# KiCad board Engine.kicad_pcb (continued)
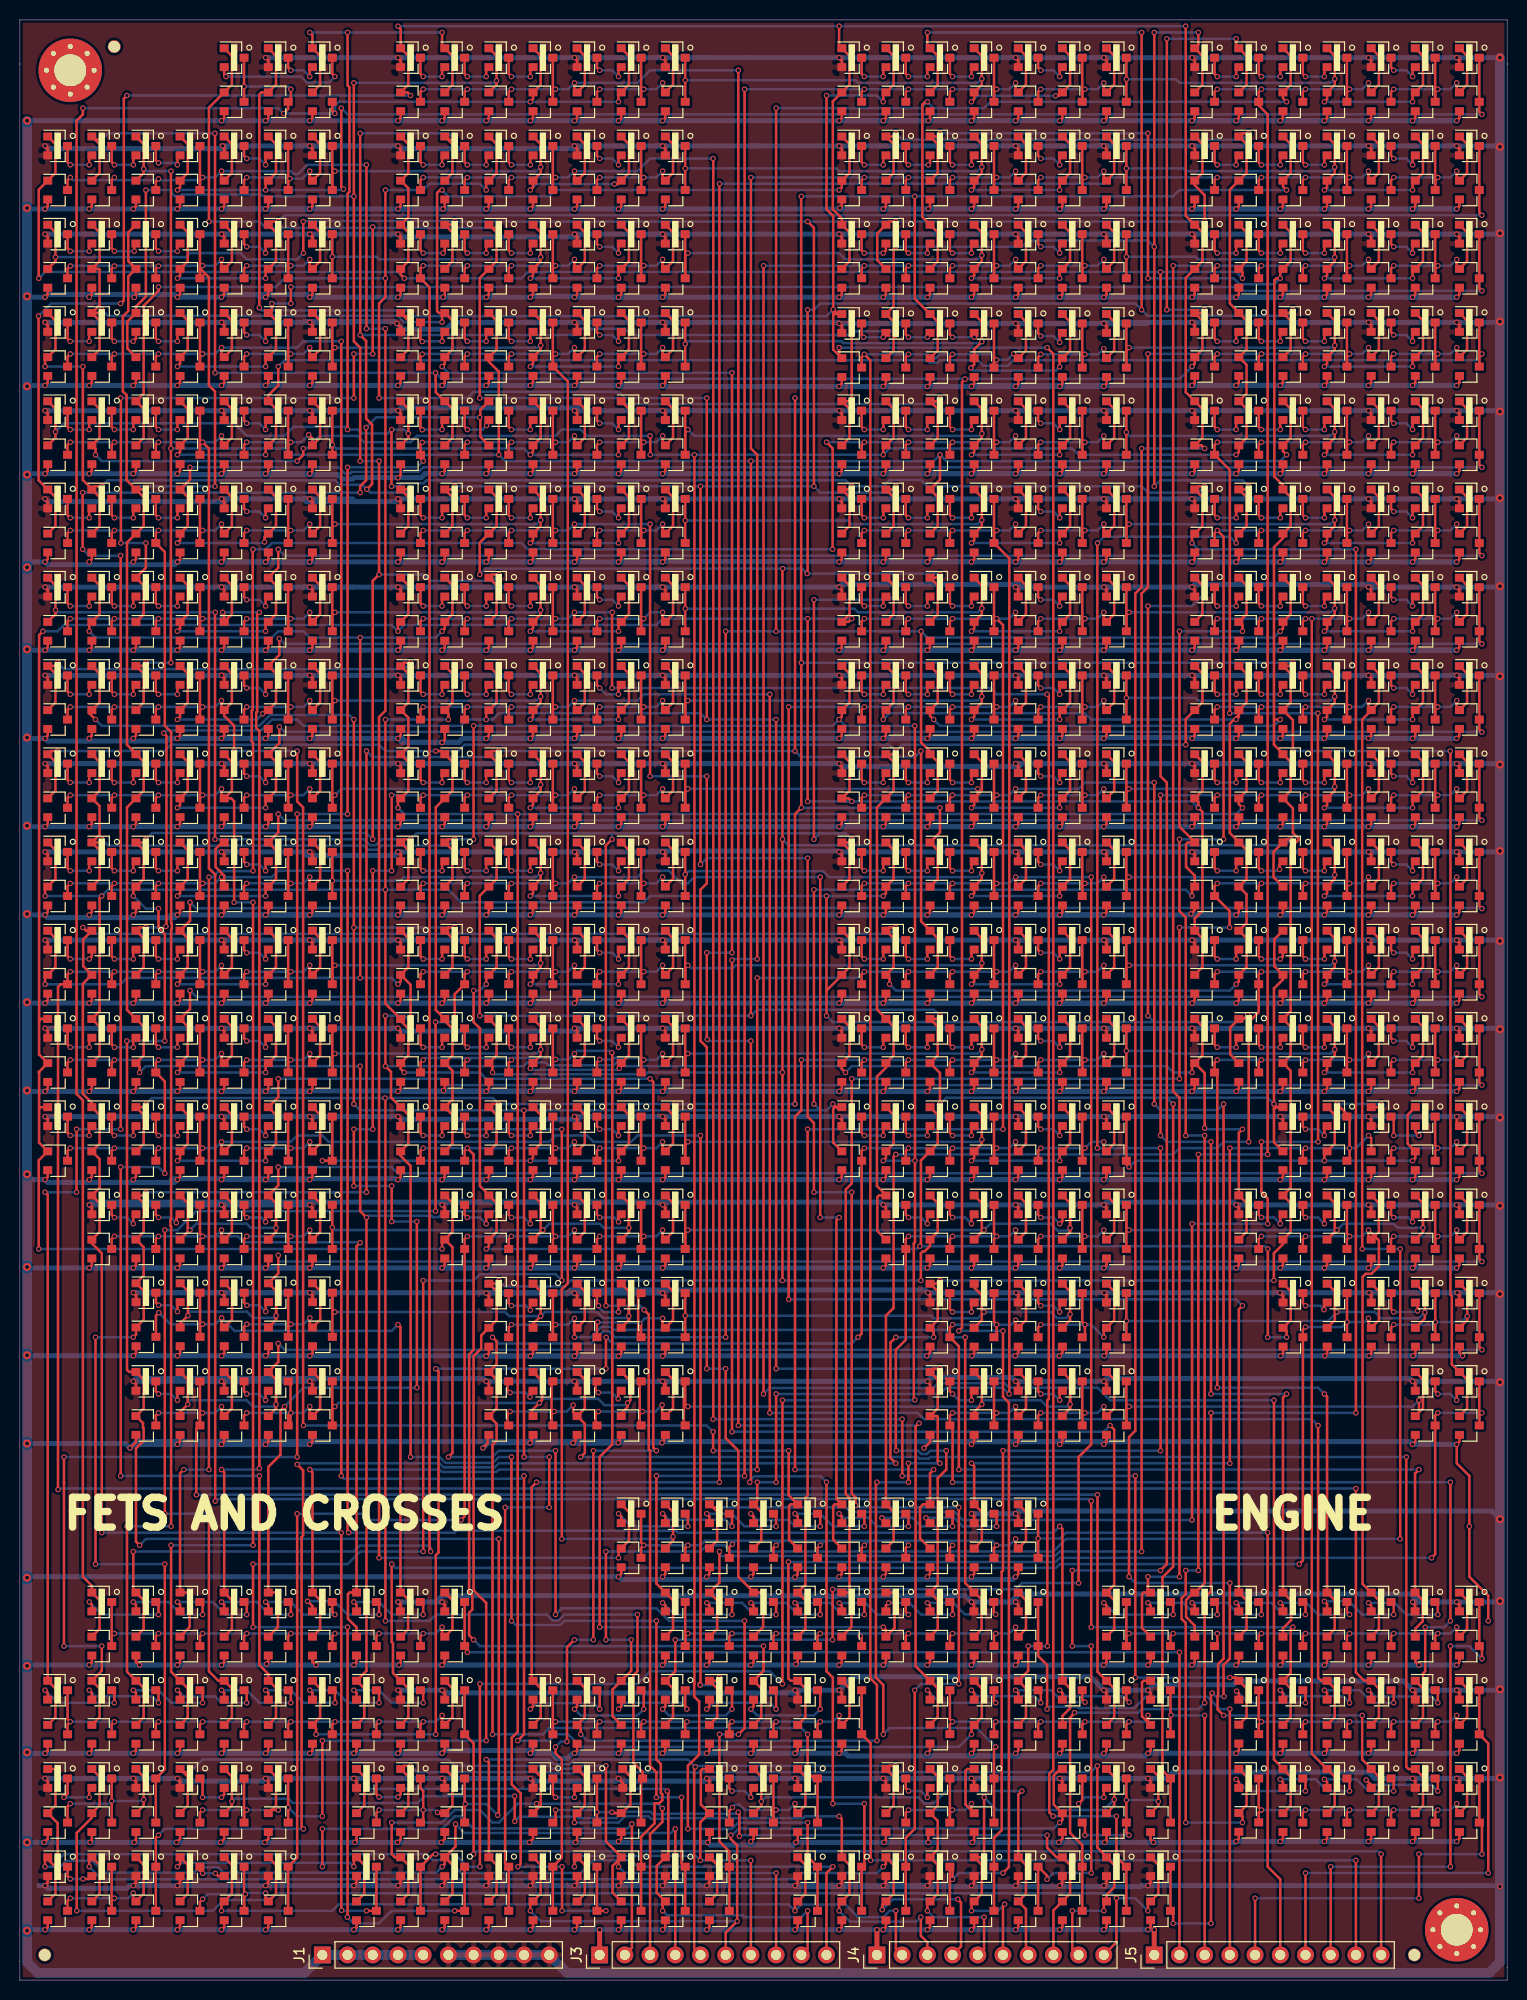
[diagram p0: board, top side]
## Placement (name value [footprint] x y rotation side) (continued)
Q415  BSS84  [SOT-23-P]  92.71 104.77 0 top
Q416  BSS84  [SOT-23-P]  97.16 104.77 0 top
Q417  2N7002  [SOT-23-N]  92.71 100.33 0 top
Q418  2N7002  [SOT-23-N]  97.16 100.33 0 top
Q419  BSS84  [SOT-23-P]  110.49 104.77 0 top
Q420  2N7002  [SOT-23-N]  110.49 100.33 0 top
Q421  2N7002  [SOT-23-N]  101.6 100.33 0 top
Q422  BSS84  [SOT-23-P]  101.6 104.77 0 top
Q423  BSS84  [SOT-23-P]  106.05 104.77 0 top
Q424  2N7002  [SOT-23-N]  106.05 100.33 0 top
Q425  2N7002  [SOT-23-N]  119.38 100.33 0 top
Q426  2N7002  [SOT-23-N]  123.83 100.33 0 top
Q427  BSS84  [SOT-23-P]  119.38 104.77 0 top
Q428  BSS84  [SOT-23-P]  123.83 104.77 0 top
Q429  BSS84  [SOT-23-P]  128.27 104.77 0 top
Q430  BSS84  [SOT-23-P]  132.72 104.77 0 top
Q431  2N7002  [SOT-23-N]  128.27 100.33 0 top
Q432  2N7002  [SOT-23-N]  132.72 100.33 0 top
Q433  BSS84  [SOT-23-P]  146.05 104.77 0 top
Q434  2N7002  [SOT-23-N]  146.05 100.33 0 top
Q435  2N7002  [SOT-23-N]  137.16 100.33 0 top
Q436  BSS84  [SOT-23-P]  137.16 104.77 0 top
Q437  BSS84  [SOT-23-P]  141.6 104.77 0 top
Q438  2N7002  [SOT-23-N]  141.6 100.33 0 top
Q439  2N7002  [SOT-23-N]  3.81 91.44 0 top
Q440  2N7002  [SOT-23-N]  8.26 91.44 0 top
Q441  BSS84  [SOT-23-P]  3.81 95.88 0 top
Q442  BSS84  [SOT-23-P]  8.26 95.88 0 top
Q443  BSS84  [SOT-23-P]  12.7 95.88 0 top
Q444  BSS84  [SOT-23-P]  17.14 95.88 0 top
Q445  2N7002  [SOT-23-N]  12.7 91.44 0 top
Q446  2N7002  [SOT-23-N]  17.14 91.44 0 top
Q447  BSS84  [SOT-23-P]  30.48 95.88 0 top
Q448  2N7002  [SOT-23-N]  30.48 91.44 0 top
Q449  2N7002  [SOT-23-N]  21.59 91.44 0 top
Q450  BSS84  [SOT-23-P]  21.59 95.88 0 top
Q451  BSS84  [SOT-23-P]  26.03 95.88 0 top
Q452  2N7002  [SOT-23-N]  26.03 91.44 0 top
Q453  2N7002  [SOT-23-N]  39.37 91.44 0 top
Q454  2N7002  [SOT-23-N]  43.81 91.44 0 top
Q455  BSS84  [SOT-23-P]  39.37 95.88 0 top
Q456  BSS84  [SOT-23-P]  43.81 95.88 0 top
Q457  BSS84  [SOT-23-P]  48.26 95.88 0 top
Q458  BSS84  [SOT-23-P]  52.7 95.88 0 top
Q459  2N7002  [SOT-23-N]  48.26 91.44 0 top
Q460  2N7002  [SOT-23-N]  52.7 91.44 0 top
Q461  BSS84  [SOT-23-P]  66.04 95.88 0 top
Q462  2N7002  [SOT-23-N]  66.04 91.44 0 top
Q463  2N7002  [SOT-23-N]  57.15 91.44 0 top
Q464  BSS84  [SOT-23-P]  57.15 95.88 0 top
Q465  BSS84  [SOT-23-P]  61.59 95.88 0 top
Q466  2N7002  [SOT-23-N]  61.59 91.44 0 top
Q467  2N7002  [SOT-23-N]  83.82 91.44 0 top
Q468  2N7002  [SOT-23-N]  88.27 91.44 0 top
Q469  BSS84  [SOT-23-P]  83.82 95.88 0 top
Q470  BSS84  [SOT-23-P]  88.27 95.88 0 top
Q471  BSS84  [SOT-23-P]  92.71 95.88 0 top
Q472  BSS84  [SOT-23-P]  97.16 95.88 0 top
Q473  2N7002  [SOT-23-N]  92.71 91.44 0 top
Q474  2N7002  [SOT-23-N]  97.16 91.44 0 top
Q475  BSS84  [SOT-23-P]  110.49 95.88 0 top
Q476  2N7002  [SOT-23-N]  110.49 91.44 0 top
Q477  2N7002  [SOT-23-N]  101.6 91.44 0 top
Q478  BSS84  [SOT-23-P]  101.6 95.88 0 top
Q479  BSS84  [SOT-23-P]  106.05 95.88 0 top
Q480  2N7002  [SOT-23-N]  106.05 91.44 0 top
Q481  2N7002  [SOT-23-N]  119.38 91.44 0 top
Q482  2N7002  [SOT-23-N]  123.83 91.44 0 top
Q483  BSS84  [SOT-23-P]  119.38 95.88 0 top
Q484  BSS84  [SOT-23-P]  123.83 95.88 0 top
Q485  BSS84  [SOT-23-P]  128.27 95.88 0 top
Q486  BSS84  [SOT-23-P]  132.72 95.88 0 top
Q487  2N7002  [SOT-23-N]  128.27 91.44 0 top
Q488  2N7002  [SOT-23-N]  132.72 91.44 0 top
Q489  BSS84  [SOT-23-P]  146.05 95.88 0 top
Q490  2N7002  [SOT-23-N]  146.05 91.44 0 top
Q491  2N7002  [SOT-23-N]  137.16 91.44 0 top
Q492  BSS84  [SOT-23-P]  137.16 95.88 0 top
Q493  BSS84  [SOT-23-P]  141.6 95.88 0 top
Q494  2N7002  [SOT-23-N]  141.6 91.44 0 top
Q495  2N7002  [SOT-23-N]  83.82 118.11 0 top
Q496  2N7002  [SOT-23-N]  88.27 118.11 0 top
Q497  BSS84  [SOT-23-P]  83.82 122.55 0 top
Q498  BSS84  [SOT-23-P]  88.27 122.55 0 top
Q499  BSS84  [SOT-23-P]  92.71 122.55 0 top
Q500  BSS84  [SOT-23-P]  97.16 122.55 0 top
Q501  2N7002  [SOT-23-N]  92.71 118.11 0 top
Q502  2N7002  [SOT-23-N]  97.16 118.11 0 top
Q503  BSS84  [SOT-23-P]  110.49 122.55 0 top
Q504  2N7002  [SOT-23-N]  110.49 118.11 0 top
Q505  2N7002  [SOT-23-N]  101.6 118.11 0 top
Q506  BSS84  [SOT-23-P]  101.6 122.55 0 top
Q507  BSS84  [SOT-23-P]  106.05 122.55 0 top
Q508  2N7002  [SOT-23-N]  106.05 118.11 0 top
Q509  2N7002  [SOT-23-N]  119.38 118.11 0 top
Q510  2N7002  [SOT-23-N]  123.83 118.11 0 top
Q511  BSS84  [SOT-23-P]  119.38 122.55 0 top
Q512  BSS84  [SOT-23-P]  123.83 122.55 0 top
Q513  BSS84  [SOT-23-P]  128.27 122.55 0 top
Q514  BSS84  [SOT-23-P]  132.72 122.55 0 top
Q515  2N7002  [SOT-23-N]  128.27 118.11 0 top
Q516  2N7002  [SOT-23-N]  132.72 118.11 0 top
Q517  BSS84  [SOT-23-P]  146.05 122.55 0 top
Q518  2N7002  [SOT-23-N]  146.05 118.11 0 top
Q519  2N7002  [SOT-23-N]  137.16 118.11 0 top
Q520  BSS84  [SOT-23-P]  137.16 122.55 0 top
Q521  BSS84  [SOT-23-P]  141.6 122.55 0 top
Q522  2N7002  [SOT-23-N]  141.6 118.11 0 top
Q523  2N7002  [SOT-23-N]  39.37 109.22 0 top
Q524  2N7002  [SOT-23-N]  43.81 109.22 0 top
Q525  BSS84  [SOT-23-P]  39.37 113.66 0 top
Q526  BSS84  [SOT-23-P]  43.81 113.66 0 top
Q527  BSS84  [SOT-23-P]  48.26 113.66 0 top
Q528  BSS84  [SOT-23-P]  52.7 113.66 0 top
Q529  2N7002  [SOT-23-N]  48.26 109.22 0 top
Q530  2N7002  [SOT-23-N]  52.7 109.22 0 top
Q531  BSS84  [SOT-23-P]  66.04 113.66 0 top
Q532  2N7002  [SOT-23-N]  66.04 109.22 0 top
Q533  2N7002  [SOT-23-N]  57.15 109.22 0 top
Q534  BSS84  [SOT-23-P]  57.15 113.66 0 top
Q535  BSS84  [SOT-23-P]  61.59 113.66 0 top
Q536  2N7002  [SOT-23-N]  61.59 109.22 0 top
Q537  2N7002  [SOT-23-N]  83.82 109.22 0 top
Q538  2N7002  [SOT-23-N]  88.27 109.22 0 top
Q539  BSS84  [SOT-23-P]  83.82 113.66 0 top
Q540  BSS84  [SOT-23-P]  88.27 113.66 0 top
Q541  BSS84  [SOT-23-P]  92.71 113.66 0 top
Q542  BSS84  [SOT-23-P]  97.16 113.66 0 top
Q543  2N7002  [SOT-23-N]  92.71 109.22 0 top
Q544  2N7002  [SOT-23-N]  97.16 109.22 0 top
Q545  BSS84  [SOT-23-P]  110.49 113.66 0 top
Q546  2N7002  [SOT-23-N]  110.49 109.22 0 top
Q547  2N7002  [SOT-23-N]  101.6 109.22 0 top
Q548  BSS84  [SOT-23-P]  101.6 113.66 0 top
Q549  BSS84  [SOT-23-P]  106.05 113.66 0 top
Q550  2N7002  [SOT-23-N]  106.05 109.22 0 top
Q551  2N7002  [SOT-23-N]  3.81 100.33 0 top
Q552  2N7002  [SOT-23-N]  8.26 100.33 0 top
Q553  BSS84  [SOT-23-P]  3.81 104.77 0 top
Q554  BSS84  [SOT-23-P]  8.26 104.77 0 top
Q555  BSS84  [SOT-23-P]  12.7 104.77 0 top
Q556  BSS84  [SOT-23-P]  17.14 104.77 0 top
Q557  2N7002  [SOT-23-N]  12.7 100.33 0 top
Q558  2N7002  [SOT-23-N]  17.14 100.33 0 top
Q559  BSS84  [SOT-23-P]  30.48 104.77 0 top
Q560  2N7002  [SOT-23-N]  30.48 100.33 0 top
Q561  2N7002  [SOT-23-N]  21.59 100.33 0 top
Q562  BSS84  [SOT-23-P]  21.59 104.77 0 top
Q563  BSS84  [SOT-23-P]  26.03 104.77 0 top
Q564  2N7002  [SOT-23-N]  26.03 100.33 0 top
Q565  2N7002  [SOT-23-N]  39.37 100.33 0 top
Q566  2N7002  [SOT-23-N]  43.81 100.33 0 top
Q567  BSS84  [SOT-23-P]  39.37 104.77 0 top
Q568  BSS84  [SOT-23-P]  43.81 104.77 0 top
Q569  BSS84  [SOT-23-P]  48.26 104.77 0 top
Q570  BSS84  [SOT-23-P]  52.7 104.77 0 top
Q571  2N7002  [SOT-23-N]  48.26 100.33 0 top
Q572  2N7002  [SOT-23-N]  52.7 100.33 0 top
Q573  BSS84  [SOT-23-P]  66.04 104.77 0 top
Q574  2N7002  [SOT-23-N]  66.04 100.33 0 top
Q575  2N7002  [SOT-23-N]  57.15 100.33 0 top
Q576  BSS84  [SOT-23-P]  57.15 104.77 0 top
Q577  BSS84  [SOT-23-P]  61.59 104.77 0 top
Q578  2N7002  [SOT-23-N]  61.59 100.33 0 top
Q579  2N7002  [SOT-23-N]  3.81 109.22 0 top
Q580  2N7002  [SOT-23-N]  8.26 109.22 0 top
Q581  BSS84  [SOT-23-P]  3.81 113.66 0 top
Q582  BSS84  [SOT-23-P]  8.26 113.66 0 top
Q583  BSS84  [SOT-23-P]  12.7 113.66 0 top
Q584  BSS84  [SOT-23-P]  17.14 113.66 0 top
Q585  2N7002  [SOT-23-N]  12.7 109.22 0 top
Q586  2N7002  [SOT-23-N]  17.14 109.22 0 top
Q587  BSS84  [SOT-23-P]  30.48 113.66 0 top
Q588  2N7002  [SOT-23-N]  30.48 109.22 0 top
Q589  2N7002  [SOT-23-N]  21.59 109.22 0 top
Q590  BSS84  [SOT-23-P]  21.59 113.66 0 top
Q591  BSS84  [SOT-23-P]  26.03 113.66 0 top
Q592  2N7002  [SOT-23-N]  26.03 109.22 0 top
Q593  2N7002  [SOT-23-N]  119.38 109.22 0 top
Q594  2N7002  [SOT-23-N]  123.83 109.22 0 top
Q595  BSS84  [SOT-23-P]  119.38 113.66 0 top
Q596  BSS84  [SOT-23-P]  123.83 113.66 0 top
Q597  BSS84  [SOT-23-P]  128.27 113.66 0 top
Q598  BSS84  [SOT-23-P]  132.72 113.66 0 top
Q599  2N7002  [SOT-23-N]  128.27 109.22 0 top
Q600  2N7002  [SOT-23-N]  132.72 109.22 0 top
Q601  BSS84  [SOT-23-P]  146.05 113.66 0 top
Q602  2N7002  [SOT-23-N]  146.05 109.22 0 top
Q603  2N7002  [SOT-23-N]  137.16 109.22 0 top
Q604  BSS84  [SOT-23-P]  137.16 113.66 0 top
Q605  BSS84  [SOT-23-P]  141.6 113.66 0 top
Q606  2N7002  [SOT-23-N]  141.6 109.22 0 top
Q607  2N7002  [SOT-23-N]  39.37 118.11 0 top
Q608  2N7002  [SOT-23-N]  43.81 118.11 0 top
Q609  BSS84  [SOT-23-P]  39.37 122.55 0 top
Q610  BSS84  [SOT-23-P]  43.81 122.55 0 top
Q611  BSS84  [SOT-23-P]  48.26 122.55 0 top
Q612  BSS84  [SOT-23-P]  52.7 122.55 0 top
Q613  2N7002  [SOT-23-N]  48.26 118.11 0 top
Q614  2N7002  [SOT-23-N]  52.7 118.11 0 top
Q615  BSS84  [SOT-23-P]  66.04 122.55 0 top
Q616  2N7002  [SOT-23-N]  66.04 118.11 0 top
Q617  2N7002  [SOT-23-N]  57.15 118.11 0 top
Q618  BSS84  [SOT-23-P]  57.15 122.55 0 top
Q619  BSS84  [SOT-23-P]  61.59 122.55 0 top
Q620  2N7002  [SOT-23-N]  61.59 118.11 0 top
Q621  2N7002  [SOT-23-N]  3.81 135.89 0 top
Q622  2N7002  [SOT-23-N]  8.26 135.89 0 top
Q623  BSS84  [SOT-23-P]  3.81 140.33 0 top
Q624  BSS84  [SOT-23-P]  8.26 140.33 0 top
Q625  BSS84  [SOT-23-P]  12.7 140.33 0 top
Q626  BSS84  [SOT-23-P]  17.14 140.33 0 top
Q627  2N7002  [SOT-23-N]  12.7 135.89 0 top
Q628  2N7002  [SOT-23-N]  17.14 135.89 0 top
Q629  BSS84  [SOT-23-P]  30.48 140.33 0 top
Q630  2N7002  [SOT-23-N]  30.48 135.89 0 top
Q631  2N7002  [SOT-23-N]  21.59 135.89 0 top
Q632  BSS84  [SOT-23-P]  21.59 140.33 0 top
Q633  BSS84  [SOT-23-P]  26.03 140.33 0 top
Q634  2N7002  [SOT-23-N]  26.03 135.89 0 top
Q635  2N7002  [SOT-23-N]  39.37 135.89 0 top
Q636  2N7002  [SOT-23-N]  43.81 135.89 0 top
Q637  BSS84  [SOT-23-P]  39.37 140.33 0 top
Q638  BSS84  [SOT-23-P]  43.81 140.33 0 top
Q639  BSS84  [SOT-23-P]  48.26 140.33 0 top
Q640  BSS84  [SOT-23-P]  52.7 140.33 0 top
Q641  2N7002  [SOT-23-N]  48.26 135.89 0 top
Q642  2N7002  [SOT-23-N]  52.7 135.89 0 top
Q643  BSS84  [SOT-23-P]  66.04 140.33 0 top
Q644  2N7002  [SOT-23-N]  66.04 135.89 0 top
Q645  2N7002  [SOT-23-N]  57.15 135.89 0 top
Q646  BSS84  [SOT-23-P]  57.15 140.33 0 top
Q647  BSS84  [SOT-23-P]  61.59 140.33 0 top
Q648  2N7002  [SOT-23-N]  61.59 135.89 0 top
Q649  2N7002  [SOT-23-N]  83.82 135.89 0 top
Q650  2N7002  [SOT-23-N]  88.27 135.89 0 top
Q651  BSS84  [SOT-23-P]  83.82 140.33 0 top
Q652  BSS84  [SOT-23-P]  88.27 140.33 0 top
Q653  BSS84  [SOT-23-P]  92.71 140.33 0 top
Q654  BSS84  [SOT-23-P]  97.16 140.33 0 top
Q655  2N7002  [SOT-23-N]  92.71 135.89 0 top
Q656  2N7002  [SOT-23-N]  97.16 135.89 0 top
Q657  BSS84  [SOT-23-P]  110.49 140.33 0 top
Q658  2N7002  [SOT-23-N]  110.49 135.89 0 top
Q659  2N7002  [SOT-23-N]  101.6 135.89 0 top
Q660  BSS84  [SOT-23-P]  101.6 140.33 0 top
Q661  BSS84  [SOT-23-P]  106.05 140.33 0 top
Q662  2N7002  [SOT-23-N]  106.05 135.89 0 top
Q663  2N7002  [SOT-23-N]  119.38 135.89 0 top
Q664  2N7002  [SOT-23-N]  123.83 135.89 0 top
Q665  BSS84  [SOT-23-P]  119.38 140.33 0 top
Q666  BSS84  [SOT-23-P]  123.83 140.33 0 top
Q667  BSS84  [SOT-23-P]  128.27 140.33 0 top
Q668  BSS84  [SOT-23-P]  132.72 140.33 0 top
Q669  2N7002  [SOT-23-N]  128.27 135.89 0 top
Q670  2N7002  [SOT-23-N]  132.72 135.89 0 top
Q671  BSS84  [SOT-23-P]  146.05 140.33 0 top
Q672  2N7002  [SOT-23-N]  146.05 135.89 0 top
Q673  2N7002  [SOT-23-N]  137.16 135.89 0 top
Q674  BSS84  [SOT-23-P]  137.16 140.33 0 top
Q675  BSS84  [SOT-23-P]  141.6 140.33 0 top
Q676  2N7002  [SOT-23-N]  141.6 135.89 0 top
Q677  2N7002  [SOT-23-N]  3.81 127 0 top
Q678  2N7002  [SOT-23-N]  8.26 127 0 top
Q679  BSS84  [SOT-23-P]  3.81 131.44 0 top
Q680  BSS84  [SOT-23-P]  8.26 131.44 0 top
Q681  BSS84  [SOT-23-P]  12.7 131.44 0 top
Q682  BSS84  [SOT-23-P]  17.14 131.44 0 top
Q683  2N7002  [SOT-23-N]  12.7 127 0 top
Q684  2N7002  [SOT-23-N]  17.14 127 0 top
Q685  BSS84  [SOT-23-P]  30.48 131.44 0 top
Q686  2N7002  [SOT-23-N]  30.48 127 0 top
Q687  2N7002  [SOT-23-N]  21.59 127 0 top
Q688  BSS84  [SOT-23-P]  21.59 131.44 0 top
Q689  BSS84  [SOT-23-P]  26.03 131.44 0 top
Q690  2N7002  [SOT-23-N]  26.03 127 0 top
Q691  2N7002  [SOT-23-N]  39.37 127 0 top
Q692  2N7002  [SOT-23-N]  43.81 127 0 top
Q693  BSS84  [SOT-23-P]  39.37 131.44 0 top
Q694  BSS84  [SOT-23-P]  43.81 131.44 0 top
Q695  BSS84  [SOT-23-P]  48.26 131.44 0 top
Q696  BSS84  [SOT-23-P]  52.7 131.44 0 top
Q697  2N7002  [SOT-23-N]  48.26 127 0 top
Q698  2N7002  [SOT-23-N]  52.7 127 0 top
Q699  BSS84  [SOT-23-P]  66.04 131.44 0 top
Q700  2N7002  [SOT-23-N]  66.04 127 0 top
Q701  2N7002  [SOT-23-N]  57.15 127 0 top
Q702  BSS84  [SOT-23-P]  57.15 131.44 0 top
Q703  BSS84  [SOT-23-P]  61.59 131.44 0 top
Q704  2N7002  [SOT-23-N]  61.59 127 0 top
Q705  2N7002  [SOT-23-N]  83.82 127 0 top
Q706  2N7002  [SOT-23-N]  88.27 127 0 top
Q707  BSS84  [SOT-23-P]  83.82 131.44 0 top
Q708  BSS84  [SOT-23-P]  88.27 131.44 0 top
Q709  BSS84  [SOT-23-P]  92.71 131.44 0 top
Q710  BSS84  [SOT-23-P]  97.16 131.44 0 top
Q711  2N7002  [SOT-23-N]  92.71 127 0 top
Q712  2N7002  [SOT-23-N]  97.16 127 0 top
Q713  BSS84  [SOT-23-P]  110.49 131.44 0 top
Q714  2N7002  [SOT-23-N]  110.49 127 0 top
Q715  2N7002  [SOT-23-N]  101.6 127 0 top
Q716  BSS84  [SOT-23-P]  101.6 131.44 0 top
Q717  BSS84  [SOT-23-P]  106.05 131.44 0 top
Q718  2N7002  [SOT-23-N]  106.05 127 0 top
Q719  2N7002  [SOT-23-N]  119.38 127 0 top
Q720  2N7002  [SOT-23-N]  123.83 127 0 top
Q721  BSS84  [SOT-23-P]  119.38 131.44 0 top
Q722  BSS84  [SOT-23-P]  123.83 131.44 0 top
Q723  BSS84  [SOT-23-P]  128.27 131.44 0 top
Q724  BSS84  [SOT-23-P]  132.72 131.44 0 top
Q725  2N7002  [SOT-23-N]  128.27 127 0 top
Q726  2N7002  [SOT-23-N]  132.72 127 0 top
Q727  BSS84  [SOT-23-P]  146.05 131.44 0 top
Q728  2N7002  [SOT-23-N]  146.05 127 0 top
Q729  2N7002  [SOT-23-N]  137.16 127 0 top
Q730  BSS84  [SOT-23-P]  137.16 131.44 0 top
Q731  BSS84  [SOT-23-P]  141.6 131.44 0 top
Q732  2N7002  [SOT-23-N]  141.6 127 0 top
Q733  2N7002  [SOT-23-N]  3.81 118.11 0 top
Q734  2N7002  [SOT-23-N]  8.26 118.11 0 top
Q735  BSS84  [SOT-23-P]  3.81 122.55 0 top
Q736  BSS84  [SOT-23-P]  8.26 122.55 0 top
Q737  BSS84  [SOT-23-P]  12.7 122.55 0 top
Q738  BSS84  [SOT-23-P]  17.14 122.55 0 top
Q739  2N7002  [SOT-23-N]  12.7 118.11 0 top
Q740  2N7002  [SOT-23-N]  17.14 118.11 0 top
Q741  BSS84  [SOT-23-P]  30.48 122.55 0 top
Q742  2N7002  [SOT-23-N]  30.48 118.11 0 top
Q743  2N7002  [SOT-23-N]  21.59 118.11 0 top
Q744  BSS84  [SOT-23-P]  21.59 122.55 0 top
Q745  BSS84  [SOT-23-P]  26.03 122.55 0 top
Q746  2N7002  [SOT-23-N]  26.03 118.11 0 top
Q747  2N7002  [SOT-23-N]  83.82 153.67 0 top
Q748  2N7002  [SOT-23-N]  88.27 153.67 0 top
Q749  BSS84  [SOT-23-P]  83.82 158.12 0 top
Q750  BSS84  [SOT-23-P]  88.27 158.12 0 top
Q751  BSS84  [SOT-23-P]  92.71 158.12 0 top
Q752  BSS84  [SOT-23-P]  97.16 158.12 0 top
Q753  2N7002  [SOT-23-N]  92.71 153.67 0 top
Q754  2N7002  [SOT-23-N]  97.16 153.67 0 top
Q755  BSS84  [SOT-23-P]  110.49 158.12 0 top
Q756  2N7002  [SOT-23-N]  110.49 153.67 0 top
Q757  2N7002  [SOT-23-N]  101.6 153.67 0 top
Q758  BSS84  [SOT-23-P]  101.6 158.12 0 top
Q759  BSS84  [SOT-23-P]  106.05 158.12 0 top
Q760  2N7002  [SOT-23-N]  106.05 153.67 0 top
Q761  2N7002  [SOT-23-N]  119.38 153.67 0 top
Q762  2N7002  [SOT-23-N]  123.83 153.67 0 top
Q763  BSS84  [SOT-23-P]  119.38 158.12 0 top
Q764  BSS84  [SOT-23-P]  123.83 158.12 0 top
Q765  BSS84  [SOT-23-P]  128.27 158.12 0 top
Q766  BSS84  [SOT-23-P]  132.72 158.12 0 top
Q767  2N7002  [SOT-23-N]  128.27 153.67 0 top
Q768  2N7002  [SOT-23-N]  132.72 153.67 0 top
Q769  BSS84  [SOT-23-P]  146.05 158.12 0 top
Q770  2N7002  [SOT-23-N]  146.05 153.67 0 top
Q771  2N7002  [SOT-23-N]  137.16 153.67 0 top
Q772  BSS84  [SOT-23-P]  137.16 158.12 0 top
Q773  BSS84  [SOT-23-P]  141.6 158.12 0 top
Q774  2N7002  [SOT-23-N]  141.6 153.67 0 top
Q775  2N7002  [SOT-23-N]  3.81 144.78 0 top
Q776  2N7002  [SOT-23-N]  8.26 144.78 0 top
Q777  BSS84  [SOT-23-P]  3.81 149.22 0 top
Q778  BSS84  [SOT-23-P]  8.26 149.22 0 top
Q779  BSS84  [SOT-23-P]  12.7 149.22 0 top
Q780  BSS84  [SOT-23-P]  17.14 149.22 0 top
Q781  2N7002  [SOT-23-N]  12.7 144.78 0 top
Q782  2N7002  [SOT-23-N]  17.14 144.78 0 top
Q783  BSS84  [SOT-23-P]  30.48 149.22 0 top
Q784  2N7002  [SOT-23-N]  30.48 144.78 0 top
Q785  2N7002  [SOT-23-N]  21.59 144.78 0 top
Q786  BSS84  [SOT-23-P]  21.59 149.22 0 top
Q787  BSS84  [SOT-23-P]  26.03 149.22 0 top
Q788  2N7002  [SOT-23-N]  26.03 144.78 0 top
Q789  2N7002  [SOT-23-N]  39.37 144.78 0 top
Q790  2N7002  [SOT-23-N]  43.81 144.78 0 top
Q791  BSS84  [SOT-23-P]  39.37 149.22 0 top
Q792  BSS84  [SOT-23-P]  43.81 149.22 0 top
Q793  BSS84  [SOT-23-P]  48.26 149.22 0 top
Q794  BSS84  [SOT-23-P]  52.7 149.22 0 top
Q795  2N7002  [SOT-23-N]  48.26 144.78 0 top
Q796  2N7002  [SOT-23-N]  52.7 144.78 0 top
Q797  BSS84  [SOT-23-P]  66.04 149.22 0 top
Q798  2N7002  [SOT-23-N]  66.04 144.78 0 top
Q799  2N7002  [SOT-23-N]  57.15 144.78 0 top
Q800  BSS84  [SOT-23-P]  57.15 149.22 0 top
Q801  BSS84  [SOT-23-P]  61.59 149.22 0 top
Q802  2N7002  [SOT-23-N]  61.59 144.78 0 top
Q803  2N7002  [SOT-23-N]  83.82 144.78 0 top
Q804  2N7002  [SOT-23-N]  88.27 144.78 0 top
Q805  BSS84  [SOT-23-P]  83.82 149.22 0 top
Q806  BSS84  [SOT-23-P]  88.27 149.22 0 top
Q807  BSS84  [SOT-23-P]  92.71 149.22 0 top
Q808  BSS84  [SOT-23-P]  97.16 149.22 0 top
Q809  2N7002  [SOT-23-N]  92.71 144.78 0 top
Q810  2N7002  [SOT-23-N]  97.16 144.78 0 top
Q811  BSS84  [SOT-23-P]  110.49 149.22 0 top
Q812  2N7002  [SOT-23-N]  110.49 144.78 0 top
Q813  2N7002  [SOT-23-N]  101.6 144.78 0 top
Q814  BSS84  [SOT-23-P]  101.6 149.22 0 top
Q815  BSS84  [SOT-23-P]  106.05 149.22 0 top
Q816  2N7002  [SOT-23-N]  106.05 144.78 0 top
Q817  2N7002  [SOT-23-N]  119.38 144.78 0 top
Q818  2N7002  [SOT-23-N]  123.83 144.78 0 top
Q819  BSS84  [SOT-23-P]  119.38 149.22 0 top
Q820  BSS84  [SOT-23-P]  123.83 149.22 0 top
Q821  BSS84  [SOT-23-P]  128.27 149.22 0 top
Q822  BSS84  [SOT-23-P]  132.72 149.22 0 top
Q823  2N7002  [SOT-23-N]  128.27 144.78 0 top
Q824  2N7002  [SOT-23-N]  132.72 144.78 0 top
Q825  BSS84  [SOT-23-P]  146.05 149.22 0 top
Q826  2N7002  [SOT-23-N]  146.05 144.78 0 top
Q827  2N7002  [SOT-23-N]  137.16 144.78 0 top
Q828  BSS84  [SOT-23-P]  137.16 149.22 0 top
Q829  BSS84  [SOT-23-P]  141.6 149.22 0 top
Q830  2N7002  [SOT-23-N]  141.6 144.78 0 top
Q831  2N7002  [SOT-23-N]  39.37 171.45 0 top
Q832  2N7002  [SOT-23-N]  43.81 171.45 0 top
Q833  BSS84  [SOT-23-P]  39.37 175.89 0 top
Q834  BSS84  [SOT-23-P]  43.81 175.89 0 top
Q835  BSS84  [SOT-23-P]  48.26 175.89 0 top
Q836  BSS84  [SOT-23-P]  52.7 175.89 0 top
Q837  2N7002  [SOT-23-N]  48.26 171.45 0 top
Q838  2N7002  [SOT-23-N]  52.7 171.45 0 top
Q839  BSS84  [SOT-23-P]  66.04 175.89 0 top
Q840  2N7002  [SOT-23-N]  66.04 171.45 0 top
Q841  2N7002  [SOT-23-N]  57.15 171.45 0 top
Q842  BSS84  [SOT-23-P]  57.15 175.89 0 top
Q843  BSS84  [SOT-23-P]  61.59 175.89 0 top
Q844  2N7002  [SOT-23-N]  61.59 171.45 0 top
Q845  2N7002  [SOT-23-N]  83.82 171.45 0 top
Q846  2N7002  [SOT-23-N]  88.27 171.45 0 top
Q847  BSS84  [SOT-23-P]  83.82 175.89 0 top
Q848  BSS84  [SOT-23-P]  88.27 175.89 0 top
Q849  BSS84  [SOT-23-P]  92.71 175.89 0 top
Q850  BSS84  [SOT-23-P]  97.16 175.89 0 top
Q851  2N7002  [SOT-23-N]  92.71 171.45 0 top
Q852  2N7002  [SOT-23-N]  97.16 171.45 0 top
Q853  BSS84  [SOT-23-P]  110.49 175.89 0 top
Q854  2N7002  [SOT-23-N]  110.49 171.45 0 top
Q855  2N7002  [SOT-23-N]  101.6 171.45 0 top
Q856  BSS84  [SOT-23-P]  101.6 175.89 0 top
Q857  BSS84  [SOT-23-P]  106.05 175.89 0 top
Q858  2N7002  [SOT-23-N]  106.05 171.45 0 top
Q859  2N7002  [SOT-23-N]  119.38 171.45 0 top
Q860  2N7002  [SOT-23-N]  123.83 171.45 0 top
Q861  BSS84  [SOT-23-P]  119.38 175.89 0 top
Q862  BSS84  [SOT-23-P]  123.83 175.89 0 top
Q863  BSS84  [SOT-23-P]  128.27 175.89 0 top
Q864  BSS84  [SOT-23-P]  132.72 175.89 0 top
Q865  2N7002  [SOT-23-N]  128.27 171.45 0 top
Q866  2N7002  [SOT-23-N]  132.72 171.45 0 top
Q867  BSS84  [SOT-23-P]  146.05 175.89 0 top
Q868  2N7002  [SOT-23-N]  146.05 171.45 0 top
Q869  2N7002  [SOT-23-N]  137.16 171.45 0 top
Q870  BSS84  [SOT-23-P]  137.16 175.89 0 top
Q871  BSS84  [SOT-23-P]  141.6 175.89 0 top
Q872  2N7002  [SOT-23-N]  141.6 171.45 0 top
Q873  2N7002  [SOT-23-N]  3.81 162.56 0 top
Q874  2N7002  [SOT-23-N]  8.26 162.56 0 top
Q875  BSS84  [SOT-23-P]  3.81 167 0 top
Q876  BSS84  [SOT-23-P]  8.26 167 0 top
Q877  BSS84  [SOT-23-P]  12.7 167 0 top
Q878  BSS84  [SOT-23-P]  17.14 167 0 top
Q879  2N7002  [SOT-23-N]  12.7 162.56 0 top
Q880  2N7002  [SOT-23-N]  17.14 162.56 0 top
Q881  BSS84  [SOT-23-P]  30.48 167 0 top
Q882  2N7002  [SOT-23-N]  30.48 162.56 0 top
Q883  2N7002  [SOT-23-N]  21.59 162.56 0 top
Q884  BSS84  [SOT-23-P]  21.59 167 0 top
Q885  BSS84  [SOT-23-P]  26.03 167 0 top
Q886  2N7002  [SOT-23-N]  26.03 162.56 0 top
Q887  2N7002  [SOT-23-N]  39.37 162.56 0 top
Q888  2N7002  [SOT-23-N]  43.81 162.56 0 top
Q889  BSS84  [SOT-23-P]  39.37 167 0 top
Q890  BSS84  [SOT-23-P]  43.81 167 0 top
Q891  BSS84  [SOT-23-P]  48.26 167 0 top
Q892  BSS84  [SOT-23-P]  52.7 167 0 top
Q893  2N7002  [SOT-23-N]  48.26 162.56 0 top
Q894  2N7002  [SOT-23-N]  52.7 162.56 0 top
Q895  BSS84  [SOT-23-P]  66.04 167 0 top
Q896  2N7002  [SOT-23-N]  66.04 162.56 0 top
Q897  2N7002  [SOT-23-N]  57.15 162.56 0 top
Q898  BSS84  [SOT-23-P]  57.15 167 0 top
Q899  BSS84  [SOT-23-P]  61.59 167 0 top
Q900  2N7002  [SOT-23-N]  61.59 162.56 0 top
Q901  2N7002  [SOT-23-N]  83.82 162.45 0 top
Q902  2N7002  [SOT-23-N]  88.27 162.45 0 top
Q903  BSS84  [SOT-23-P]  83.82 166.9 0 top
Q904  BSS84  [SOT-23-P]  88.27 166.9 0 top
Q905  BSS84  [SOT-23-P]  92.71 166.9 0 top
Q906  BSS84  [SOT-23-P]  97.16 166.9 0 top
Q907  2N7002  [SOT-23-N]  92.71 162.45 0 top
Q908  2N7002  [SOT-23-N]  97.16 162.45 0 top
Q909  BSS84  [SOT-23-P]  110.49 166.9 0 top
Q910  2N7002  [SOT-23-N]  110.49 162.45 0 top
Q911  2N7002  [SOT-23-N]  101.6 162.45 0 top
Q912  BSS84  [SOT-23-P]  101.6 166.9 0 top
Q913  BSS84  [SOT-23-P]  106.05 166.9 0 top
Q914  2N7002  [SOT-23-N]  106.05 162.45 0 top
Q915  2N7002  [SOT-23-N]  119.38 162.56 0 top
Q916  2N7002  [SOT-23-N]  123.83 162.56 0 top
Q917  BSS84  [SOT-23-P]  119.38 167 0 top
Q918  BSS84  [SOT-23-P]  123.83 167 0 top
Q919  BSS84  [SOT-23-P]  128.27 167 0 top
Q920  BSS84  [SOT-23-P]  132.72 167 0 top
Q921  2N7002  [SOT-23-N]  128.27 162.56 0 top
Q922  2N7002  [SOT-23-N]  132.72 162.56 0 top
Q923  BSS84  [SOT-23-P]  146.05 167 0 top
Q924  2N7002  [SOT-23-N]  146.05 162.56 0 top
Q925  2N7002  [SOT-23-N]  137.16 162.56 0 top
Q926  BSS84  [SOT-23-P]  137.16 167 0 top
Q927  BSS84  [SOT-23-P]  141.6 167 0 top
Q928  2N7002  [SOT-23-N]  141.6 162.56 0 top
Q929  2N7002  [SOT-23-N]  3.81 153.67 0 top
Q930  2N7002  [SOT-23-N]  8.26 153.67 0 top
Q931  BSS84  [SOT-23-P]  3.81 158.12 0 top
Q932  BSS84  [SOT-23-P]  8.26 158.12 0 top
Q933  BSS84  [SOT-23-P]  12.7 158.12 0 top
Q934  BSS84  [SOT-23-P]  17.14 158.12 0 top
Q935  2N7002  [SOT-23-N]  12.7 153.67 0 top
Q936  2N7002  [SOT-23-N]  17.14 153.67 0 top
Q937  BSS84  [SOT-23-P]  30.48 158.12 0 top
Q938  2N7002  [SOT-23-N]  30.48 153.67 0 top
Q939  2N7002  [SOT-23-N]  21.59 153.67 0 top
Q940  BSS84  [SOT-23-P]  21.59 158.12 0 top
Q941  BSS84  [SOT-23-P]  26.03 158.12 0 top
Q942  2N7002  [SOT-23-N]  26.03 153.67 0 top
Q943  2N7002  [SOT-23-N]  39.37 153.67 0 top
Q944  2N7002  [SOT-23-N]  43.81 153.67 0 top
Q945  BSS84  [SOT-23-P]  39.37 158.12 0 top
Q946  BSS84  [SOT-23-P]  43.81 158.12 0 top
Q947  BSS84  [SOT-23-P]  48.26 158.12 0 top
Q948  BSS84  [SOT-23-P]  52.7 158.12 0 top
Q949  2N7002  [SOT-23-N]  48.26 153.67 0 top
Q950  2N7002  [SOT-23-N]  52.7 153.67 0 top
Q951  BSS84  [SOT-23-P]  66.04 158.12 0 top
Q952  2N7002  [SOT-23-N]  66.04 153.67 0 top
Q953  2N7002  [SOT-23-N]  57.15 153.67 0 top
Q954  BSS84  [SOT-23-P]  57.15 158.12 0 top
Q955  BSS84  [SOT-23-P]  61.59 158.12 0 top
Q956  2N7002  [SOT-23-N]  61.59 153.67 0 top
Q957  2N7002  [SOT-23-N]  39.37 189.23 0 top
Q958  2N7002  [SOT-23-N]  43.81 189.23 0 top
Q959  BSS84  [SOT-23-P]  39.37 193.67 0 top
Q960  BSS84  [SOT-23-P]  43.81 193.67 0 top
Q961  BSS84  [SOT-23-P]  48.26 193.67 0 top
Q962  BSS84  [SOT-23-P]  52.7 193.67 0 top
Q963  2N7002  [SOT-23-N]  48.26 189.23 0 top
Q964  2N7002  [SOT-23-N]  52.7 189.23 0 top
Q965  BSS84  [SOT-23-P]  66.04 193.67 0 top
Q966  2N7002  [SOT-23-N]  66.04 189.23 0 top
Q967  2N7002  [SOT-23-N]  57.15 189.23 0 top
Q968  BSS84  [SOT-23-P]  57.15 193.67 0 top
Q969  BSS84  [SOT-23-P]  61.59 193.67 0 top
Q970  2N7002  [SOT-23-N]  61.59 189.23 0 top
Q971  2N7002  [SOT-23-N]  26.03 189.23 0 top
Q972  2N7002  [SOT-23-N]  30.48 189.23 0 top
Q973  BSS84  [SOT-23-P]  26.03 193.67 0 top
Q974  BSS84  [SOT-23-P]  30.48 193.67 0 top
Q975  BSS84  [SOT-23-P]  21.59 193.67 0 top
Q976  2N7002  [SOT-23-N]  21.59 189.23 0 top
Q977  2N7002  [SOT-23-N]  83.82 189.23 0 top
Q978  2N7002  [SOT-23-N]  88.27 189.23 0 top
Q979  BSS84  [SOT-23-P]  83.82 193.67 0 top
Q980  BSS84  [SOT-23-P]  88.27 193.67 0 top
Q981  BSS84  [SOT-23-P]  92.71 193.67 0 top
Q982  BSS84  [SOT-23-P]  97.16 193.67 0 top
Q983  2N7002  [SOT-23-N]  92.71 189.23 0 top
Q984  2N7002  [SOT-23-N]  97.16 189.23 0 top
Q985  BSS84  [SOT-23-P]  110.49 193.67 0 top
Q986  2N7002  [SOT-23-N]  110.49 189.23 0 top
Q987  2N7002  [SOT-23-N]  101.6 189.23 0 top
Q988  BSS84  [SOT-23-P]  101.6 193.67 0 top
Q989  BSS84  [SOT-23-P]  106.05 193.67 0 top
Q990  2N7002  [SOT-23-N]  106.05 189.23 0 top
Q991  2N7002  [SOT-23-N]  119.38 189.23 0 top
Q992  2N7002  [SOT-23-N]  123.83 189.23 0 top
Q993  BSS84  [SOT-23-P]  119.38 193.67 0 top
Q994  BSS84  [SOT-23-P]  123.83 193.67 0 top
Q995  BSS84  [SOT-23-P]  128.27 193.67 0 top
Q996  BSS84  [SOT-23-P]  132.72 193.67 0 top
Q997  2N7002  [SOT-23-N]  128.27 189.23 0 top
Q998  2N7002  [SOT-23-N]  132.72 189.23 0 top
Q999  BSS84  [SOT-23-P]  146.05 193.67 0 top
Q1000  2N7002  [SOT-23-N]  146.05 189.23 0 top
Q1001  2N7002  [SOT-23-N]  137.16 189.23 0 top
Q1002  BSS84  [SOT-23-P]  137.16 193.67 0 top
Q1003  BSS84  [SOT-23-P]  141.6 193.67 0 top
Q1004  2N7002  [SOT-23-N]  141.6 189.23 0 top
Q1005  2N7002  [SOT-23-N]  3.81 180.34 0 top
Q1006  2N7002  [SOT-23-N]  8.26 180.34 0 top
Q1007  BSS84  [SOT-23-P]  3.81 184.78 0 top
Q1008  BSS84  [SOT-23-P]  8.26 184.78 0 top
Q1009  BSS84  [SOT-23-P]  12.7 184.78 0 top
Q1010  BSS84  [SOT-23-P]  17.14 184.78 0 top
Q1011  2N7002  [SOT-23-N]  12.7 180.34 0 top
Q1012  2N7002  [SOT-23-N]  17.14 180.34 0 top
Q1013  BSS84  [SOT-23-P]  30.48 184.78 0 top
Q1014  2N7002  [SOT-23-N]  30.48 180.34 0 top
Q1015  2N7002  [SOT-23-N]  21.59 180.34 0 top
Q1016  BSS84  [SOT-23-P]  21.59 184.78 0 top
Q1017  BSS84  [SOT-23-P]  26.03 184.78 0 top
Q1018  2N7002  [SOT-23-N]  26.03 180.34 0 top
Q1019  2N7002  [SOT-23-N]  39.37 180.34 0 top
Q1020  2N7002  [SOT-23-N]  43.81 180.34 0 top
Q1021  BSS84  [SOT-23-P]  39.37 184.78 0 top
Q1022  BSS84  [SOT-23-P]  43.81 184.78 0 top
Q1023  BSS84  [SOT-23-P]  48.26 184.78 0 top
Q1024  BSS84  [SOT-23-P]  52.7 184.78 0 top
Q1025  2N7002  [SOT-23-N]  48.26 180.34 0 top
Q1026  2N7002  [SOT-23-N]  52.7 180.34 0 top
Q1027  BSS84  [SOT-23-P]  66.04 184.78 0 top
Q1028  2N7002  [SOT-23-N]  66.04 180.34 0 top
Q1029  2N7002  [SOT-23-N]  57.15 180.34 0 top
Q1030  BSS84  [SOT-23-P]  57.15 184.78 0 top
Q1031  BSS84  [SOT-23-P]  61.59 184.78 0 top
Q1032  2N7002  [SOT-23-N]  61.59 180.34 0 top
Q1033  2N7002  [SOT-23-N]  83.82 180.34 0 top
Q1034  2N7002  [SOT-23-N]  88.27 180.34 0 top
Q1035  BSS84  [SOT-23-P]  83.82 184.78 0 top
Q1036  BSS84  [SOT-23-P]  88.27 184.78 0 top
Q1037  BSS84  [SOT-23-P]  92.71 184.78 0 top
Q1038  BSS84  [SOT-23-P]  97.16 184.78 0 top
Q1039  2N7002  [SOT-23-N]  92.71 180.34 0 top
Q1040  2N7002  [SOT-23-N]  97.16 180.34 0 top
Q1041  BSS84  [SOT-23-P]  110.49 184.78 0 top
Q1042  2N7002  [SOT-23-N]  110.49 180.34 0 top
Q1043  2N7002  [SOT-23-N]  101.6 180.34 0 top
Q1044  BSS84  [SOT-23-P]  101.6 184.78 0 top
Q1045  BSS84  [SOT-23-P]  106.05 184.78 0 top
Q1046  2N7002  [SOT-23-N]  106.05 180.34 0 top
Q1047  2N7002  [SOT-23-N]  119.38 180.34 0 top
Q1048  2N7002  [SOT-23-N]  123.83 180.34 0 top
Q1049  BSS84  [SOT-23-P]  119.38 184.78 0 top
Q1050  BSS84  [SOT-23-P]  123.83 184.78 0 top
Q1051  BSS84  [SOT-23-P]  128.27 184.78 0 top
Q1052  BSS84  [SOT-23-P]  132.72 184.78 0 top
Q1053  2N7002  [SOT-23-N]  128.27 180.34 0 top
Q1054  2N7002  [SOT-23-N]  132.72 180.34 0 top
Q1055  BSS84  [SOT-23-P]  146.05 184.78 0 top
Q1056  2N7002  [SOT-23-N]  146.05 180.34 0 top
Q1057  2N7002  [SOT-23-N]  137.16 180.34 0 top
Q1058  BSS84  [SOT-23-P]  137.16 184.78 0 top
Q1059  BSS84  [SOT-23-P]  141.6 184.78 0 top
Q1060  2N7002  [SOT-23-N]  141.6 180.34 0 top
Q1061  2N7002  [SOT-23-N]  3.81 171.45 0 top
Q1062  2N7002  [SOT-23-N]  8.26 171.45 0 top
Q1063  BSS84  [SOT-23-P]  3.81 175.89 0 top
Q1064  BSS84  [SOT-23-P]  8.26 175.89 0 top
Q1065  BSS84  [SOT-23-P]  12.7 175.89 0 top
Q1066  BSS84  [SOT-23-P]  17.14 175.89 0 top
Q1067  2N7002  [SOT-23-N]  12.7 171.45 0 top
Q1068  2N7002  [SOT-23-N]  17.14 171.45 0 top
Q1069  BSS84  [SOT-23-P]  30.48 175.89 0 top
Q1070  2N7002  [SOT-23-N]  30.48 171.45 0 top
Q1071  2N7002  [SOT-23-N]  21.59 171.45 0 top
Q1072  BSS84  [SOT-23-P]  21.59 175.89 0 top
Q1073  BSS84  [SOT-23-P]  26.03 175.89 0 top
Q1074  2N7002  [SOT-23-N]  26.03 171.45 0 top

## Footprints (pads in the part's own frame, mm; a bottom-side part is the same pattern mirrored in y, then rotated)
jlcpcb_tooling_hole
  round 1.3 hole 1.152 unplated: (0,0)
MountingHole_3.2mm_M3_Pad_Via
  round 0.8 hole 0.5: 1(-2.4,0) 1(-1.697,1.697) 1(-1.697,-1.697) 1(0,2.4) 1(0,-2.4) 1(1.697,1.697) 1(1.697,-1.697) 1(2.4,0)
  round 6.4 hole 3.2: 1(0,0)
PinHeader_1x10_P2.54mm_Vertical
  rect 1.7x1.7 hole 1: 1(0,0)
  oval 1.7x1.7 hole 1: 2(0,-2.54) 3(0,-5.08) 4(0,-7.62) 5(0,-10.16) 6(0,-12.7) 7(0,-15.24) 8(0,-17.78) 9(0,-20.32) 10(0,-22.86)
SOT-23-N
  rect 0.9x0.8 smd: 1(-1,0.95) 2(-1,-0.95) 3(1,0)
SOT-23-P
  rect 0.9x0.8 smd: 1(-1,0.95) 2(-1,-0.95) 3(1,0)

## Nets
